# Altium PCB NURIP.PcbDoc (part 3 of 14)
Units mil, origin at the board's own origin, x right, y up, seen from the top; angles counter-clockwise.
Board outline 7096.64 x 6702.94 mil, 6 copper layers (L1, L2, L3, L4, L5, L6), stack 48.469 mil thick; 305 components, 426 nets, 2172 pads, 1040 vias.
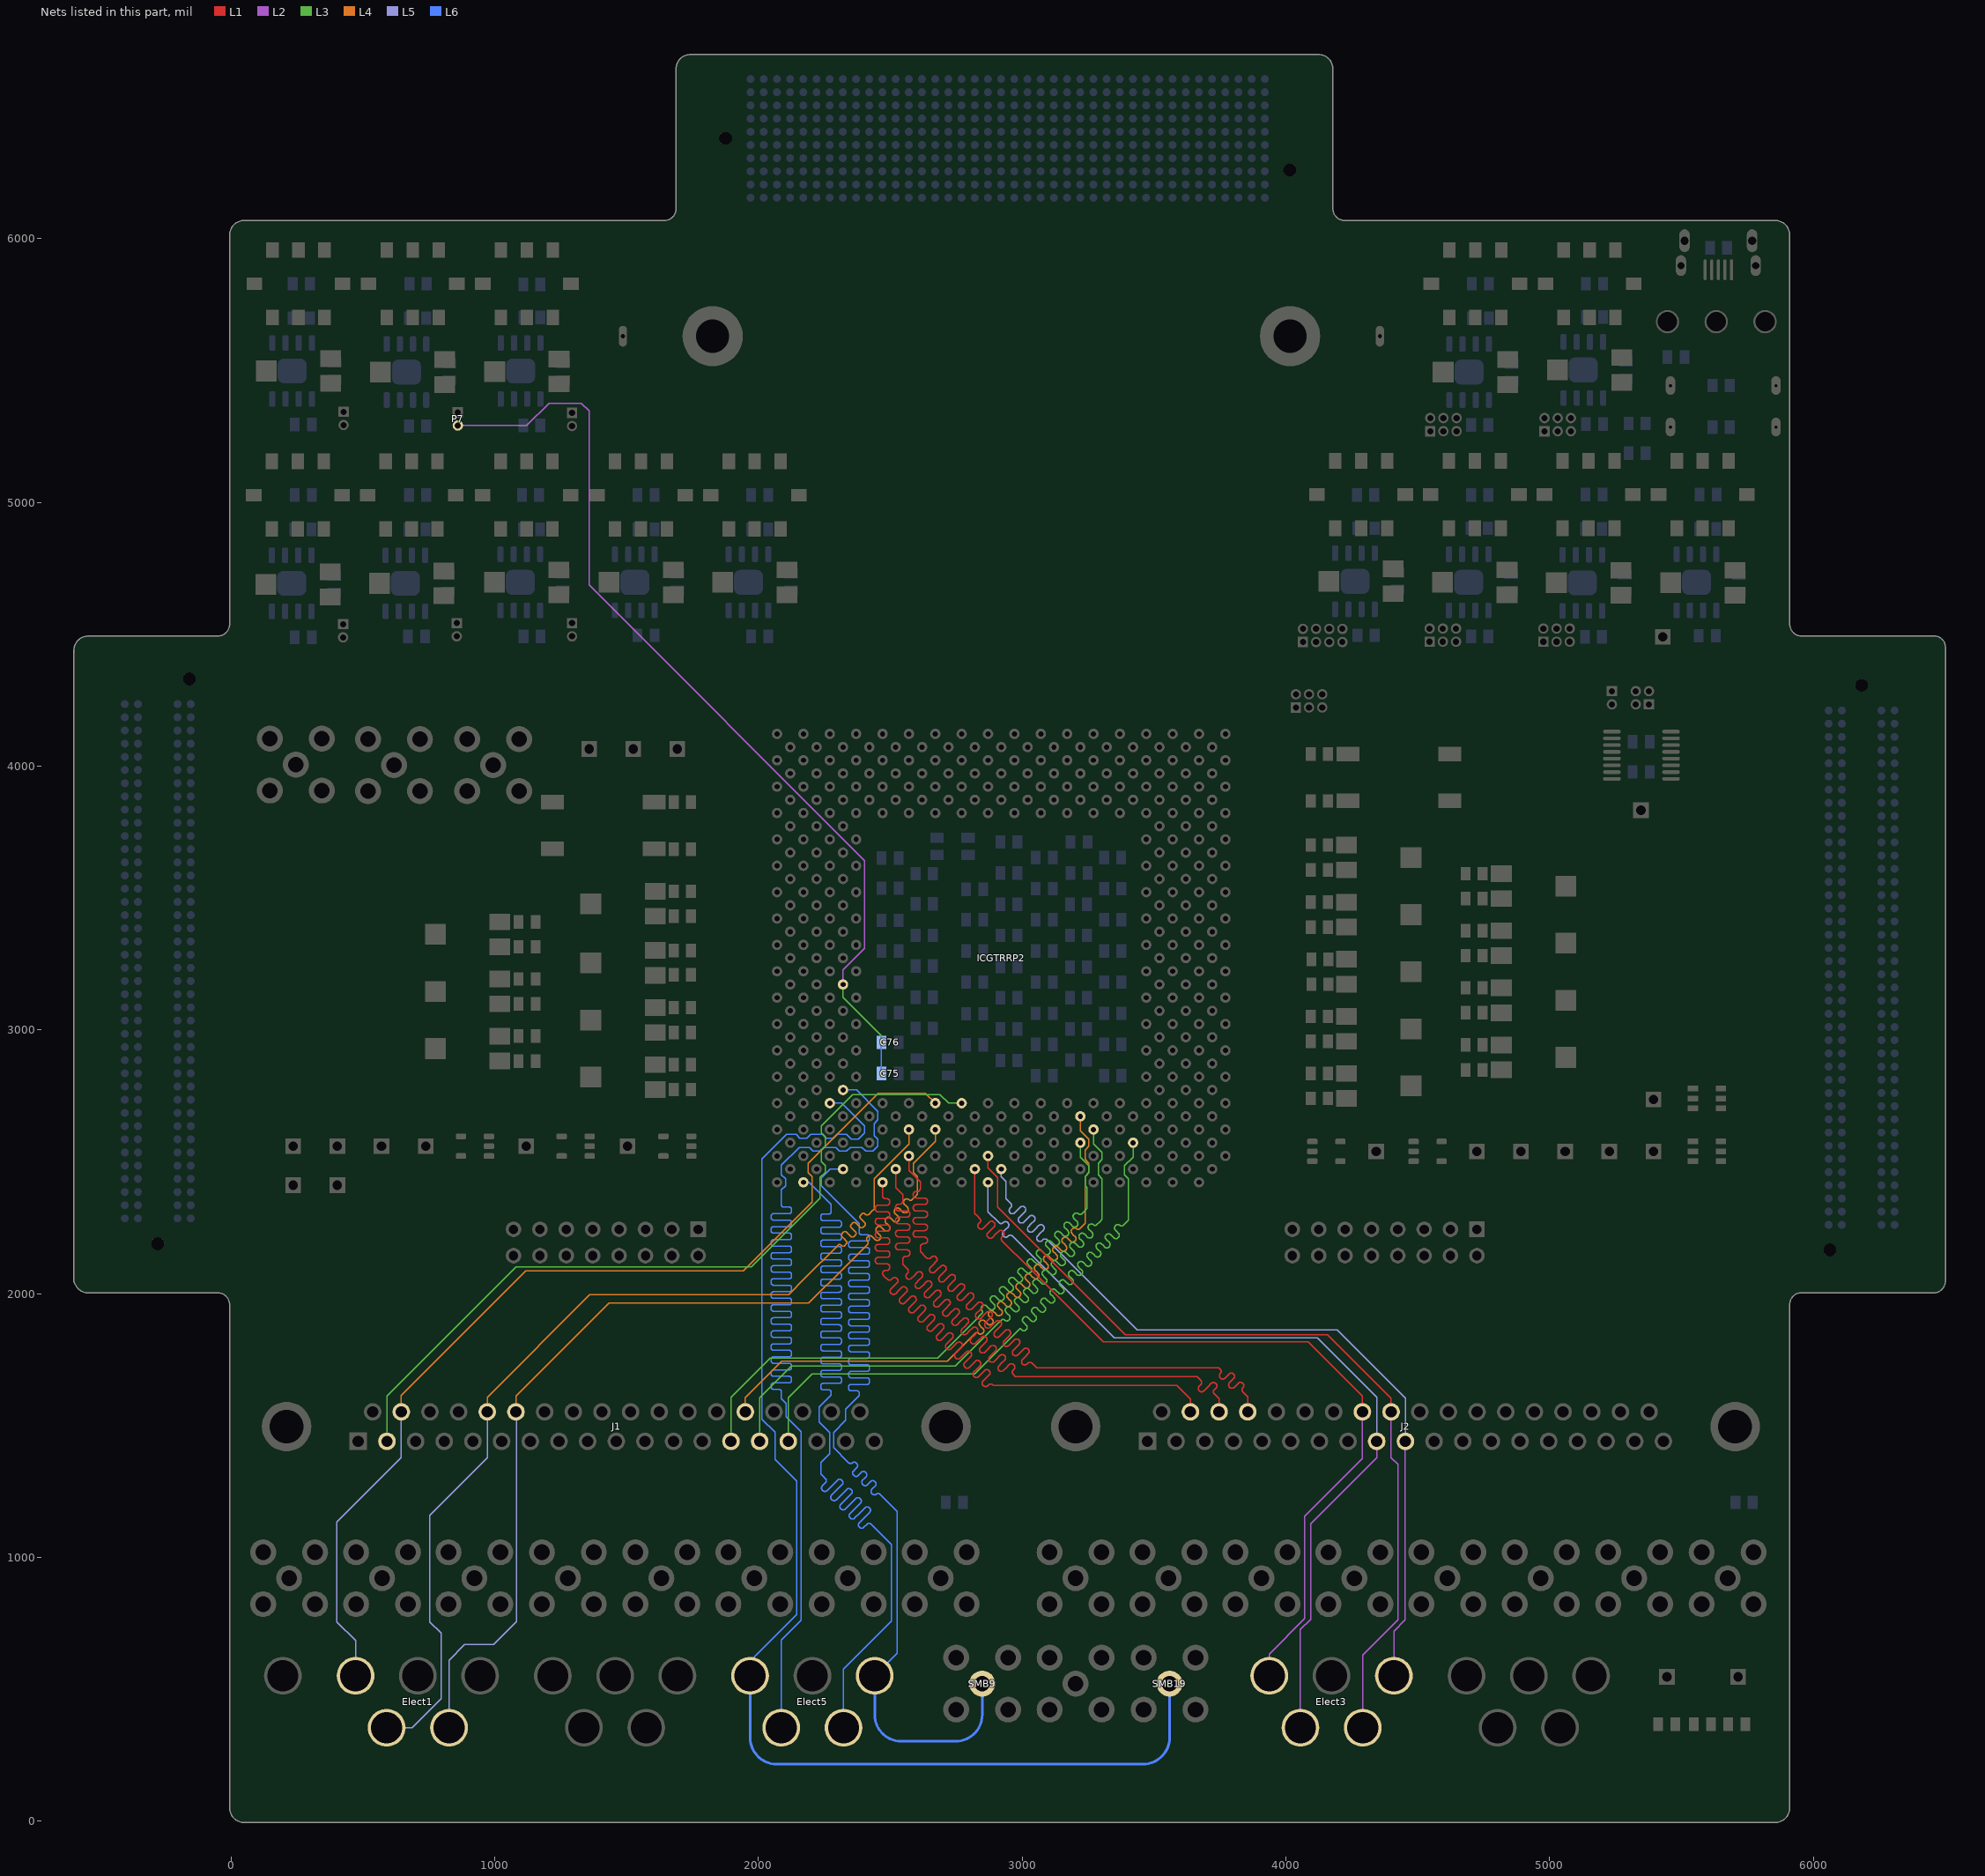
[diagram p7: the nets of this part, all layers, seen from the top]

## Via types
v1: diameter 20, hole 10, L1 to L6, tented both sides, 908 vias
v2: diameter 19.68, hole 7.87, L1 to L6, 126 vias
v3: diameter 196.85, hole 118.11, L1 to L6, 6 vias

## Nets (pads, with @x,y where several pads share a name; then routed paths per layer and width w, separated by ;. In a path a pad name is that pad's centre, name@x,y a point inside that pad or via, vN(x,y) a via of type N, cw(c..) or ccw(c..) an arc to the next point about the centre after c; other vN are vias at no path point) (continued)
0B3: ICGTRRP2.A27 J2.21 | length 3244.7
  L1 w5: ICGTRRP2.A27@2470.71,2422.2 2470.71,2372.05 2470.71,2370.81 ccw(c2481.82,2370.81) 2481.82,2359.7 2487.14,2359.7 cw(c2487.14,2348.6) 2498.25,2348.6 2498.25,2346.13 cw(c2487.14,2346.13) 2487.14,2335.02 2470.71,2335.02 2454.28,2335.02 ccw(c2454.28,2323.91) 2443.17,2323.91 2443.17,2321.44 ccw(c2454.28,2321.44) 2454.28,2310.33 2470.71,2310.33 2487.14,2310.33 cw(c2487.14,2299.23) 2498.25,2299.23 2498.25,2296.76 cw(c2487.14,2296.76) 2487.14,2285.65 2470.71,2285.65 2454.28,2285.65 ccw(c2454.28,2274.54) 2443.17,2274.54 2443.17,2272.07 ccw(c2454.28,2272.07) 2454.28,2260.96 2470.71,2260.96 2487.14,2260.96 cw(c2487.14,2249.86) 2498.25,2249.86 2498.25,2247.39 cw(c2487.14,2247.39) 2487.14,2236.28 2470.71,2236.28 2454.28,2236.28 ccw(c2454.28,2225.17) 2443.17,2225.17 2443.17,2222.7 ccw(c2454.28,2222.7) 2454.28,2211.59 2470.71,2211.59 2487.14,2211.59 cw(c2487.14,2200.49) 2498.25,2200.49 2498.25,2198.02 cw(c2487.14,2198.02) 2487.14,2186.91 2470.71,2186.91 2454.28,2186.91 ccw(c2454.28,2175.8) 2443.17,2175.8 2443.17,2173.33 ccw(c2454.28,2173.33) 2454.28,2162.22 2470.71,2162.22 2487.14,2162.22 cw(c2487.14,2151.12) 2498.25,2151.12 2498.25,2148.65 cw(c2487.14,2148.65) 2487.14,2137.54 2470.71,2137.54 2454.28,2137.54 ccw(c2454.28,2126.43) 2443.17,2126.43 2443.17,2123.96 ccw(c2454.28,2123.96) 2454.28,2112.85 2470.71,2112.85 2487.14,2112.85 cw(c2487.14,2101.75) 2498.25,2101.75 2498.25,2099.28 cw(c2487.14,2099.28) 2487.14,2088.17 2481.82,2088.17 ccw(c2481.82,2077.06) 2470.71,2077.06 2470.71,2072.6 2479.44,2063.87 2489.04,2054.27 ccw(c2496.89,2062.13) 2504.75,2054.27 2508.51,2058.03 cw(c2516.36,2050.18) 2524.22,2058.04 2525.97,2056.29 cw(c2518.11,2048.43) 2525.97,2040.58 2514.35,2028.96 2502.73,2017.34 ccw(c2510.58,2009.49) 2502.73,2001.63 2504.47,1999.89 ccw(c2512.33,2007.74) 2520.18,1999.89 2531.8,2011.51 2543.42,2023.13 cw(c2551.27,2015.27) 2559.13,2023.13 2560.87,2021.38 cw(c2553.02,2013.52) 2560.87,2005.67 2549.26,1994.05 2537.64,1982.43 ccw(c2545.49,1974.58) 2537.64,1966.72 2539.38,1964.98 ccw(c2547.24,1972.83) 2555.09,1964.98 2566.71,1976.6 2578.33,1988.22 cw(c2586.18,1980.36) 2594.04,1988.22 2595.78,1986.47 cw(c2587.93,1978.62) 2595.78,1970.76 2584.17,1959.14 2572.55,1947.52 ccw(c2580.4,1939.67) 2572.55,1931.81 2574.29,1930.07 ccw(c2582.15,1937.92) 2590,1930.07 2601.62,1941.69 2613.24,1953.31 cw(c2621.09,1945.45) 2628.95,1953.31 2630.69,1951.56 cw(c2622.84,1943.71) 2630.69,1935.85 2619.08,1924.23 2607.46,1912.61 ccw(c2615.31,1904.76) 2607.46,1896.9 2609.2,1895.16 ccw(c2617.06,1903.01) 2624.91,1895.16 2636.53,1906.78 2648.15,1918.4 cw(c2656,1910.54) 2663.86,1918.4 2665.6,1916.65 cw(c2657.75,1908.8) 2665.6,1900.94 2653.99,1889.32 2642.37,1877.7 ccw(c2650.22,1869.85) 2642.37,1861.99 2644.11,1860.25 ccw(c2651.97,1868.1) 2659.82,1860.25 2671.44,1871.87 2683.06,1883.49 cw(c2690.91,1875.63) 2698.77,1883.49 2700.51,1881.74 cw(c2692.66,1873.89) 2700.51,1866.03 2688.9,1854.41 2677.28,1842.79 ccw(c2685.13,1834.94) 2677.28,1827.08 2679.02,1825.34 ccw(c2686.88,1833.19) 2694.73,1825.34 2706.35,1836.96 2717.97,1848.58 cw(c2725.82,1840.72) 2733.68,1848.58 2735.42,1846.83 cw(c2727.57,1838.98) 2735.42,1831.12 2723.81,1819.5 2712.19,1807.88 ccw(c2720.04,1800.03) 2712.19,1792.17 2713.93,1790.43 ccw(c2721.79,1798.28) 2729.64,1790.43 2741.26,1802.05 2752.88,1813.67 cw(c2760.73,1805.81) 2768.59,1813.67 2770.33,1811.92 cw(c2762.48,1804.07) 2770.33,1796.21 2758.72,1784.59 2747.1,1772.97 ccw(c2754.95,1765.12) 2747.1,1757.26 2748.84,1755.52 ccw(c2756.7,1763.37) 2764.55,1755.52 2776.17,1767.14 2787.79,1778.76 cw(c2795.64,1770.9) 2803.5,1778.76 2805.24,1777.01 cw(c2797.39,1769.16) 2805.24,1761.3 2793.62,1749.68 2782.01,1738.06 ccw(c2789.86,1730.21) 2782.01,1722.35 2783.75,1720.61 ccw(c2791.61,1728.46) 2799.46,1720.61 2811.08,1732.23 2822.7,1743.85 cw(c2830.55,1735.99) 2838.41,1743.85 2840.15,1742.1 cw(c2832.3,1734.25) 2840.15,1726.39 2828.53,1714.77 2816.92,1703.15 ccw(c2824.77,1695.3) 2816.92,1687.44 2818.66,1685.7 ccw(c2826.52,1693.55) 2834.37,1685.7 2845.99,1697.32 2857.61,1708.94 cw(c2865.46,1701.08) 2873.32,1708.94 2875.06,1707.19 cw(c2867.21,1699.34) 2875.06,1691.48 2863.44,1679.86 2851.83,1668.24 ccw(c2859.68,1660.39) 2851.83,1652.53 2853.57,1650.79 ccw(c2861.43,1658.64) 2869.28,1650.79 2873.04,1654.55 cw(c2880.9,1646.7) 2888.75,1654.55 2891.73,1651.57 3586.61,1651.57 3638.01,1600.18 J2.21@3638.01,1551.97
0B4: ICGTRRP2.B26 J2.22 | length 3244.7
  L1 w5: ICGTRRP2.B26@2520.71,2472.2 2520.71,2402.52 2547.24,2375.98 2547.24,2363.64 2547.24,2351.3 cw(c2534.9,2351.3) 2534.9,2338.96 2532.03,2338.96 ccw(c2532.03,2326.61) 2519.69,2326.61 ccw(c2532.03,2326.61) 2532.03,2314.27 2547.24,2314.27 2562.46,2314.27 cw(c2562.46,2301.93) 2574.8,2301.93 cw(c2562.46,2301.93) 2562.46,2289.59 2547.24,2289.59 2532.03,2289.59 ccw(c2532.03,2277.24) 2519.69,2277.24 ccw(c2532.03,2277.24) 2532.03,2264.9 2547.24,2264.9 2562.46,2264.9 cw(c2562.46,2252.56) 2574.8,2252.56 cw(c2562.46,2252.56) 2562.46,2240.22 2547.24,2240.22 2532.03,2240.22 ccw(c2532.03,2227.87) 2519.69,2227.87 ccw(c2532.03,2227.87) 2532.03,2215.53 2547.24,2215.53 2562.46,2215.53 cw(c2562.46,2203.19) 2574.8,2203.19 cw(c2562.46,2203.19) 2562.46,2190.85 2547.24,2190.85 2532.03,2190.85 ccw(c2532.03,2178.5) 2519.69,2178.5 ccw(c2532.03,2178.5) 2532.03,2166.16 2547.24,2166.16 2562.46,2166.16 cw(c2562.46,2153.82) 2574.8,2153.82 cw(c2562.46,2153.82) 2562.46,2141.48 2559.59,2141.48 ccw(c2559.59,2129.13) 2547.24,2129.13 2547.24,2124.02 2547.24,2112.2 2555.97,2103.48 2564.7,2094.75 cw(c2555.97,2086.02) 2564.7,2077.29 2562.67,2075.26 ccw(c2571.39,2066.54) 2562.67,2057.81 ccw(c2571.39,2066.54) 2580.12,2057.81 2590.88,2068.57 2601.64,2079.33 cw(c2610.37,2070.6) 2619.1,2079.33 cw(c2610.37,2070.6) 2619.1,2061.87 2608.34,2051.11 2597.58,2040.35 ccw(c2606.3,2031.63) 2597.58,2022.9 ccw(c2606.3,2031.63) 2615.03,2022.9 2625.79,2033.66 2636.55,2044.42 cw(c2645.28,2035.69) 2654.01,2044.42 cw(c2645.28,2035.69) 2654.01,2026.96 2643.25,2016.2 2632.49,2005.44 ccw(c2641.21,1996.72) 2632.49,1987.99 ccw(c2641.21,1996.72) 2649.94,1987.99 2660.7,1998.75 2671.46,2009.51 cw(c2680.19,2000.78) 2688.92,2009.51 cw(c2680.19,2000.78) 2688.92,1992.05 2678.16,1981.29 2667.4,1970.53 ccw(c2676.12,1961.81) 2667.4,1953.08 ccw(c2676.12,1961.81) 2684.85,1953.08 2695.61,1963.84 2706.37,1974.6 cw(c2715.1,1965.87) 2723.83,1974.6 cw(c2715.1,1965.87) 2723.83,1957.14 2713.07,1946.38 2702.31,1935.62 ccw(c2711.03,1926.9) 2702.31,1918.17 ccw(c2711.03,1926.9) 2719.76,1918.17 2730.52,1928.93 2741.28,1939.69 cw(c2750.01,1930.96) 2758.74,1939.69 cw(c2750.01,1930.96) 2758.74,1922.23 2747.98,1911.47 2737.22,1900.71 ccw(c2745.94,1891.99) 2737.22,1883.26 ccw(c2745.94,1891.99) 2754.67,1883.26 2765.43,1894.02 2776.19,1904.78 cw(c2784.92,1896.05) 2793.65,1904.78 cw(c2784.92,1896.05) 2793.65,1887.32 2782.89,1876.56 2772.13,1865.8 ccw(c2780.85,1857.08) 2772.13,1848.35 ccw(c2780.85,1857.08) 2789.58,1848.35 2800.34,1859.11 2811.1,1869.87 cw(c2819.83,1861.14) 2828.56,1869.87 cw(c2819.83,1861.14) 2828.56,1852.41 2817.8,1841.65 2807.04,1830.89 ccw(c2815.76,1822.17) 2807.04,1813.44 ccw(c2815.76,1822.17) 2824.49,1813.44 2835.25,1824.2 2846.01,1834.96 cw(c2854.74,1826.23) 2863.47,1834.96 cw(c2854.74,1826.23) 2863.47,1817.5 2852.71,1806.74 2841.95,1795.98 ccw(c2850.67,1787.26) 2841.95,1778.53 ccw(c2850.67,1787.26) 2859.4,1778.53 2870.16,1789.29 2880.92,1800.05 cw(c2889.65,1791.32) 2898.37,1800.05 cw(c2889.65,1791.32) 2898.37,1782.59 ; 2898.38,1782.59 2887.62,1771.83 2876.86,1761.07 ccw(c2885.58,1752.35) 2876.86,1743.62 ccw(c2885.58,1752.35) 2894.31,1743.62 2905.07,1754.38 2915.83,1765.14 cw(c2924.56,1756.41) 2933.28,1765.14 cw(c2924.56,1756.41) 2933.28,1747.68 2922.53,1736.92 2911.77,1726.16 ccw(c2920.49,1717.44) 2911.77,1708.71 ccw(c2920.49,1717.44) 2929.22,1708.71 2939.98,1719.47 2950.74,1730.23 cw(c2959.47,1721.5) 2968.19,1730.23 cw(c2959.47,1721.5) 2968.19,1712.77 2966.16,1710.74 ccw(c2974.89,1702.01) 2966.16,1693.29 2974.41,1685.04 2982.28,1685.04 3663.39,1685.04 3677.77,1670.66 cw(c3669.91,1662.8) 3677.77,1654.95 3671,1648.18 ccw(c3678.85,1640.33) 3671,1632.47 3672.74,1630.73 ccw(c3680.6,1638.58) 3688.45,1630.73 3703.08,1645.35 3717.7,1659.97 cw(c3725.55,1652.12) 3733.41,1659.97 3735.15,1658.23 cw(c3727.3,1650.37) 3735.15,1642.52 3728.38,1635.75 ccw(c3736.24,1627.89) 3728.38,1620.04 3737.99,1610.44 3746.71,1601.71 J2.22@3746.71,1551.97
0B5: Elect3.3 ICGTRRP2.B20 J2.27 | length 3309.6
  L1 w5: ICGTRRP2.B20@2820.71,2472.2 2820.71,2303.31 2829.44,2294.58 2839.91,2284.11 cw(c2832.93,2277.12) 2839.91,2270.14 2834.39,2264.62 ccw(c2841.37,2257.64) 2834.39,2250.66 2837.88,2247.16 ccw(c2844.86,2254.15) 2851.84,2247.16 2864.35,2259.67 2876.85,2272.18 cw(c2883.83,2265.19) 2890.82,2272.18 2894.31,2268.68 cw(c2887.32,2261.7) 2894.31,2254.72 2881.8,2242.21 2869.3,2229.71 ccw(c2876.28,2222.73) 2869.3,2215.75 2872.79,2212.25 ccw(c2879.77,2219.24) 2886.75,2212.25 2899.26,2224.76 2911.76,2237.27 cw(c2918.74,2230.28) 2925.73,2237.27 2929.22,2233.77 cw(c2922.23,2226.79) 2929.22,2219.81 2923.69,2214.29 ccw(c2930.67,2207.3) 2923.69,2200.32 3024.61,2099.41 3307.09,1816.93 4084.65,1816.93 4290.22,1611.36 J2.27@4290.22,1551.97
  L2 w5: Elect3.3@3937.01,551.18 3937.01,633.86 4070.87,767.72 4070.87,1155.51 4290.22,1374.86 J2.27@4290.22,1551.97
0B6: Elect3.2 ICGTRRP2.C19 J2.28 | length 3315.8
  L1 w5: ICGTRRP2.C19@2870.71,2522.2 2870.71,2476.69 2907.48,2439.92 2907.48,2328.74 3391.73,1844.49 4157.48,1844.49 4398.92,1603.05 J2.28@4398.92,1551.97
  L2 w5: Elect3.2@4291.34,354.33 4291.34,629.92 4425.2,763.78 4425.2,1352.36 4398.92,1378.64 J2.28@4398.92,1551.97
0B7: Elect3.4 ICGTRRP2.A19 J2.9 | length 3315.8
  L2 w5: Elect3.4@4055.12,354.33 4055.12,726.38 4094.49,765.75 4094.49,1127.95 4344.57,1378.03 J2.9@4344.57,1440.16
  L5 w5: ICGTRRP2.A19@2870.71,2422.2 2870.71,2310.39 2911.42,2269.69 2912.29,2268.81 ccw(c2920.14,2276.67) 2928,2268.81 2929.13,2269.94 cw(c2936.98,2262.09) 2944.84,2269.94 2946.58,2268.2 cw(c2938.73,2260.34) 2946.58,2252.49 2937.6,2243.5 2928.62,2234.52 ccw(c2936.47,2226.66) 2928.62,2218.81 2930.36,2217.06 ccw(c2938.22,2224.92) 2946.07,2217.06 2947.2,2218.19 cw(c2955.05,2210.34) 2962.91,2218.19 3062.01,2119.09 3349.04,1832.07 4118.72,1832.07 4344.57,1606.22 J2.9@4344.57,1440.16
0B8: Elect3.1 ICGTRRP2.B18 J2.10 | length 3315.8
  L2 w5: Elect3.1@4409.45,551.18 4409.45,720.47 4452.07,763.09 4452.07,1440.16 J2.10@4453.27,1440.16
  L5 w5: ICGTRRP2.B18@2920.71,2472.2 2920.71,2443.46 2938.52,2425.65 2938.52,2360.69 2947.25,2351.96 2955.98,2343.23 cw(c2947.25,2334.51) 2955.98,2325.78 2954.14,2323.95 ccw(c2962.87,2315.22) 2954.14,2306.49 ccw(c2962.87,2315.22) 2971.6,2306.49 2982.16,2317.05 2992.72,2327.61 cw(c3001.45,2318.89) 3010.18,2327.61 cw(c3001.45,2318.89) 3010.18,2310.16 2999.62,2299.6 2989.05,2289.04 ccw(c2997.78,2280.31) 2989.05,2271.58 ccw(c2997.78,2280.31) 3006.51,2271.58 3017.07,2282.14 3027.63,2292.7 cw(c3036.36,2283.98) 3045.09,2292.7 cw(c3036.36,2283.98) 3045.09,2275.25 3034.53,2264.69 3023.96,2254.13 ccw(c3032.69,2245.4) 3023.96,2236.67 ccw(c3032.69,2245.4) 3041.42,2236.67 3051.98,2247.23 3062.54,2257.79 cw(c3071.27,2249.07) 3080,2257.79 cw(c3071.27,2249.07) 3080,2240.34 3069.44,2229.78 3058.87,2219.22 ccw(c3067.6,2210.49) 3058.87,2201.76 ccw(c3067.6,2210.49) 3076.33,2201.76 3078.16,2203.59 cw(c3086.89,2194.87) 3095.62,2203.59 3127.95,2171.26 3437.15,1862.07 4195.02,1862.07 4453.27,1603.82 J2.10@4453.27,1440.16
0B9: ICGTRRP2.C25 J2.23 | length 3366.8
  L1 w5: ICGTRRP2.C25@2570.71,2522.2 2570.71,2467.72 2614.17,2424.26 2614.17,2411.91 2614.17,2399.57 cw(c2601.83,2399.57) 2601.83,2387.23 2598.96,2387.23 ccw(c2598.96,2374.89) 2586.61,2374.89 ccw(c2598.96,2374.89) 2598.96,2362.54 2614.17,2362.54 2629.39,2362.54 cw(c2629.39,2350.2) 2641.73,2350.2 cw(c2629.39,2350.2) 2629.39,2337.86 2614.17,2337.86 2598.96,2337.86 ccw(c2598.96,2325.52) 2586.61,2325.52 ccw(c2598.96,2325.52) 2598.96,2313.17 2614.17,2313.17 2629.39,2313.17 cw(c2629.39,2300.83) 2641.73,2300.83 cw(c2629.39,2300.83) 2629.39,2288.49 2614.17,2288.49 2598.96,2288.49 ccw(c2598.96,2276.15) 2586.61,2276.15 ccw(c2598.96,2276.15) 2598.96,2263.8 2614.17,2263.8 2629.39,2263.8 cw(c2629.39,2251.46) 2641.73,2251.46 cw(c2629.39,2251.46) 2629.39,2239.12 2614.17,2239.12 2598.96,2239.12 ccw(c2598.96,2226.78) 2586.61,2226.78 ccw(c2598.96,2226.78) 2598.96,2214.43 2614.17,2214.43 2629.39,2214.43 cw(c2629.39,2202.09) 2641.73,2202.09 cw(c2629.39,2202.09) 2629.39,2189.75 2626.52,2189.75 ccw(c2626.52,2177.41) 2614.17,2177.41 2614.17,2167.32 2614.17,2159.45 2636.81,2136.81 ccw(c2645.54,2145.54) 2654.27,2136.81 2656.3,2138.84 cw(c2665.03,2130.12) 2673.75,2138.84 cw(c2665.03,2130.12) 2673.75,2121.39 2662.99,2110.63 2652.23,2099.87 ccw(c2660.96,2091.14) 2652.23,2082.41 ccw(c2660.96,2091.14) 2669.69,2082.41 2680.45,2093.17 2691.21,2103.93 cw(c2699.94,2095.21) 2708.66,2103.93 cw(c2699.94,2095.21) 2708.66,2086.48 2697.9,2075.72 2687.14,2064.96 ccw(c2695.87,2056.23) 2687.14,2047.5 ccw(c2695.87,2056.23) 2704.6,2047.5 2715.36,2058.26 2726.12,2069.02 cw(c2734.85,2060.3) 2743.57,2069.02 cw(c2734.85,2060.3) 2743.57,2051.57 2732.81,2040.81 2722.05,2030.05 ccw(c2730.78,2021.32) 2722.05,2012.59 ccw(c2730.78,2021.32) 2739.51,2012.59 2750.27,2023.35 2761.03,2034.11 cw(c2769.76,2025.39) 2778.48,2034.11 cw(c2769.76,2025.39) 2778.48,2016.66 2767.72,2005.9 2756.96,1995.14 ccw(c2765.69,1986.41) 2756.96,1977.68 ccw(c2765.69,1986.41) 2774.42,1977.68 2785.18,1988.44 2795.94,1999.2 cw(c2804.67,1990.48) 2813.39,1999.2 cw(c2804.67,1990.48) 2813.39,1981.75 2802.63,1970.99 2791.87,1960.23 ccw(c2800.6,1951.5) 2791.87,1942.77 ccw(c2800.6,1951.5) 2809.33,1942.77 2820.09,1953.53 2830.85,1964.29 cw(c2839.57,1955.57) 2848.3,1964.29 cw(c2839.57,1955.57) 2848.3,1946.84 2837.54,1936.08 2826.78,1925.32 ccw(c2835.51,1916.59) 2826.78,1907.86 ccw(c2835.51,1916.59) 2844.24,1907.86 2855,1918.62 2865.76,1929.38 cw(c2874.48,1920.66) 2883.21,1929.38 cw(c2874.48,1920.66) 2883.21,1911.93 2872.45,1901.17 2861.69,1890.41 ccw(c2870.42,1881.68) 2861.69,1872.95 ccw(c2870.42,1881.68) 2879.15,1872.95 2889.91,1883.71 2900.67,1894.47 cw(c2909.39,1885.75) 2918.12,1894.47 cw(c2909.39,1885.75) 2918.12,1877.02 2907.36,1866.26 2896.6,1855.5 ccw(c2905.33,1846.77) 2896.6,1838.04 ccw(c2905.33,1846.77) 2914.06,1838.04 2924.82,1848.8 2935.58,1859.56 cw(c2944.3,1850.84) 2953.03,1859.56 cw(c2944.3,1850.84) 2953.03,1842.11 2942.27,1831.35 2931.51,1820.59 ccw(c2940.24,1811.86) 2931.51,1803.14 ccw(c2940.24,1811.86) 2948.97,1803.14 2959.73,1813.89 2970.49,1824.65 cw(c2979.21,1815.93) 2987.94,1824.65 cw(c2979.21,1815.93) 2987.94,1807.2 2977.18,1796.44 2966.42,1785.68 ccw(c2975.15,1776.95) 2966.42,1768.23 ccw(c2975.15,1776.95) 2983.88,1768.23 2994.64,1778.99 3005.4,1789.74 cw(c3014.12,1781.02) 3022.85,1789.74 cw(c3014.12,1781.02) 3022.85,1772.29 3012.09,1761.53 3001.33,1750.77 ccw(c3010.06,1742.04) 3001.33,1733.32 ccw(c3010.06,1742.04) 3018.79,1733.32 3020.82,1735.35 cw(c3029.55,1726.62) 3038.27,1735.35 3047,1726.62 3055.12,1718.5 3066.93,1718.5 3276.81,1718.5 ; 3287.4,1718.5 3276.81,1718.5 ; J2.23@3855.41,1551.97 3855.41,1609.15 3846.69,1617.88 3837.09,1627.48 cw(c3844.94,1635.34) 3837.09,1643.19 3837.48,1643.59 ccw(c3829.63,1651.44) 3837.48,1659.3 3835.74,1661.04 ccw(c3827.88,1653.19) 3820.03,1661.04 3811.78,1652.79 3803.52,1644.54 cw(c3795.67,1652.39) 3787.82,1644.54 3786.07,1646.28 cw(c3793.92,1654.14) 3786.07,1661.99 3794.32,1670.25 3802.57,1678.5 ccw(c3794.72,1686.35) 3802.57,1694.21 3800.83,1695.95 ccw(c3792.97,1688.1) 3785.12,1695.95 3776.87,1687.7 3768.61,1679.45 cw(c3760.76,1687.3) 3752.91,1679.45 3751.16,1681.19 cw(c3759.01,1689.05) 3751.16,1696.9 3751.56,1697.3 ccw(c3743.7,1705.16) 3751.56,1713.01 3746.06,1718.5 3435.04,1718.5 3276.81,1718.5
0C1: Elect5.3 ICGTRRP2.G31 SMB19.1 | length 4896.5
  L6 w5: Elect5.3@1968.5,551.18 1968.5,606.3 2145.67,783.46 2145.67,1289.37 2062.99,1372.05 2062.99,1474.41 2013.23,1524.17 2013.23,2510.24 2107.38,2604.39 2143.01,2604.39 2157.38,2590.02 2184.04,2590.02 2198.41,2604.39 2243.01,2604.39 2257.38,2590.02 2284.04,2590.02 2298.41,2604.39 2334.04,2604.39 2352.89,2585.54 2379.56,2585.54 2402.89,2608.87 2402.89,2635.54 2316.23,2722.2 ICGTRRP2.G31@2270.71,2722.2
  L6 w10: Elect5.3@1968.5,551.18 1968.5,316.54 ccw(c2068.5,316.54) 2068.5,216.54 3459.06,216.54 ccw(c3459.06,316.54) 3469,217.03 ccw(c3459.06,316.54) 3558.56,306.59 ccw(c3459.06,316.54) 3559.06,316.54 SMB19.1@3559.06,521.65
0C2: Elect5.4 ICGTRRP2.H30 | length 4896.5
  L6 w5: Elect5.4@2086.61,354.33 2086.61,687.01 2161.42,761.81 2161.42,1414.86 2161.28,1414.99 2161.28,1476.52 2104.76,1533.03 2104.76,1584.21 2087.13,1601.85 2087.13,1608.27 2087.13,1628.39 ccw(c2078.49,1628.39) 2078.49,1637.03 2057.14,1637.03 cw(c2057.14,1645.67) 2048.5,1645.67 2048.5,1653.07 cw(c2057.14,1653.07) 2057.14,1661.71 2087.13,1661.71 2117.12,1661.71 ccw(c2117.12,1670.35) 2125.76,1670.35 2125.76,1677.76 ccw(c2117.12,1677.76) 2117.12,1686.4 2087.13,1686.4 2057.14,1686.4 cw(c2057.14,1695.04) 2048.5,1695.04 2048.5,1702.44 cw(c2057.14,1702.44) 2057.14,1711.08 2087.13,1711.08 2117.12,1711.08 ccw(c2117.12,1719.72) 2125.76,1719.72 2125.76,1727.13 ccw(c2117.12,1727.13) 2117.12,1735.77 2087.13,1735.77 2057.14,1735.77 cw(c2057.14,1744.41) 2048.5,1744.41 2048.5,1751.81 cw(c2057.14,1751.81) 2057.14,1760.45 2087.13,1760.45 2117.12,1760.45 ccw(c2117.12,1769.09) 2125.76,1769.09 2125.76,1776.5 ccw(c2117.12,1776.5) 2117.12,1785.14 2087.13,1785.14 2057.14,1785.14 cw(c2057.14,1793.78) 2048.5,1793.78 2048.5,1801.18 cw(c2057.14,1801.18) 2057.14,1809.82 2087.13,1809.82 2117.12,1809.82 ccw(c2117.12,1818.46) 2125.76,1818.46 2125.76,1825.87 ccw(c2117.12,1825.87) 2117.12,1834.51 2087.13,1834.51 2057.14,1834.51 cw(c2057.14,1843.15) 2048.5,1843.15 2048.5,1850.55 cw(c2057.14,1850.55) 2057.14,1859.19 2087.13,1859.19 2117.12,1859.19 ccw(c2117.12,1867.83) 2125.76,1867.83 2125.76,1875.24 ccw(c2117.12,1875.24) 2117.12,1883.88 2087.13,1883.88 2057.14,1883.88 cw(c2057.14,1892.52) 2048.5,1892.52 2048.5,1899.92 cw(c2057.14,1899.92) 2057.14,1908.56 2087.13,1908.56 2117.12,1908.56 ccw(c2117.12,1917.2) 2125.76,1917.2 2125.76,1924.61 ccw(c2117.12,1924.61) 2117.12,1933.25 2087.13,1933.25 2057.14,1933.25 cw(c2057.14,1941.89) 2048.5,1941.89 2048.5,1949.29 cw(c2057.14,1949.29) 2057.14,1957.93 2087.13,1957.93 2117.12,1957.93 ccw(c2117.12,1966.57) 2125.76,1966.57 2125.76,1973.98 ccw(c2117.12,1973.98) 2117.12,1982.62 2087.13,1982.62 2057.14,1982.62 cw(c2057.14,1991.26) 2048.5,1991.26 2048.5,1998.66 cw(c2057.14,1998.66) 2057.14,2007.3 2087.13,2007.3 2117.12,2007.3 ccw(c2117.12,2015.94) 2125.76,2015.94 2125.76,2023.35 ccw(c2117.12,2023.35) 2117.12,2031.99 2087.13,2031.99 2057.14,2031.99 cw(c2057.14,2040.63) 2048.5,2040.63 2048.5,2048.03 cw(c2057.14,2048.03) 2057.14,2056.67 2087.13,2056.67 2117.12,2056.67 ccw(c2117.12,2065.31) 2125.76,2065.31 2125.76,2072.72 ccw(c2117.12,2072.72) 2117.12,2081.36 2087.13,2081.36 2057.14,2081.36 cw(c2057.14,2090) 2048.5,2090 2048.5,2097.4 cw(c2057.14,2097.4) 2057.14,2106.04 2087.13,2106.04 2117.12,2106.04 ccw(c2117.12,2114.68) 2125.76,2114.68 2125.76,2122.09 ccw(c2117.12,2122.09) 2117.12,2130.73 2087.13,2130.73 2057.14,2130.73 cw(c2057.14,2139.37) 2048.5,2139.37 2048.5,2146.77 cw(c2057.14,2146.77) 2057.14,2155.41 2087.13,2155.41 2117.12,2155.41 ccw(c2117.12,2164.05) 2125.76,2164.05 2125.76,2171.46 ccw(c2117.12,2171.46) 2117.12,2180.1 2087.13,2180.1 2057.14,2180.1 cw(c2057.14,2188.74) 2048.5,2188.74 2048.5,2196.14 cw(c2057.14,2196.14) 2057.14,2204.78 2087.13,2204.78 2117.12,2204.78 ccw(c2117.12,2213.42) 2125.76,2213.42 2125.76,2220.83 ccw(c2117.12,2220.83) 2117.12,2229.47 2087.13,2229.47 2057.14,2229.47 cw(c2057.14,2238.11) 2048.5,2238.11 2048.5,2245.51 cw(c2057.14,2245.51) 2057.14,2254.15 2087.13,2254.15 2117.12,2254.15 ccw(c2117.12,2262.79) 2125.76,2262.79 2125.76,2270.2 ccw(c2117.12,2270.2) 2117.12,2278.84 2087.13,2278.84 2057.14,2278.84 cw(c2057.14,2287.48) 2048.5,2287.48 2048.5,2294.88 cw(c2057.14,2294.88) 2057.14,2303.52 2087.13,2303.52 2117.12,2303.52 ccw(c2117.12,2312.16) 2125.76,2312.16 2125.76,2319.57 ccw(c2117.12,2319.57) 2117.12,2328.21 2095.77,2328.21 cw(c2095.77,2336.85) 2087.13,2336.85 2087.13,2340.55 2087.13,2393.11 2102.89,2408.87 2102.89,2435.54 2087.13,2451.3 2087.13,2486.73 2154.78,2554.39 2193.01,2554.39 2207.38,2540.02 2234.04,2540.02 2248.41,2554.39 2293.01,2554.39 2307.38,2540.02 2334.04,2540.02 2348.41,2554.39 2393.01,2554.39 2407.38,2540.02 2434.04,2540.02 2452.89,2558.87 2452.89,2585.54 2438.52,2599.91 2438.52,2644.5 2452.89,2658.87 2452.89,2690.81 2371.5,2772.2 ICGTRRP2.H30@2320.71,2772.2